# Altium PCB PCB1 - BU.PcbDoc (part 2 of 2)
Units mil, origin at the board's own origin, x right, y up, seen from the top; angles counter-clockwise.
Board outline 4547.44 x 2454.85 mil, 2 copper layers (Top Layer, Bottom Layer); 145 components, 145 nets, 564 pads, 150 vias.
Unrouted connection lines stored in the file: 2.
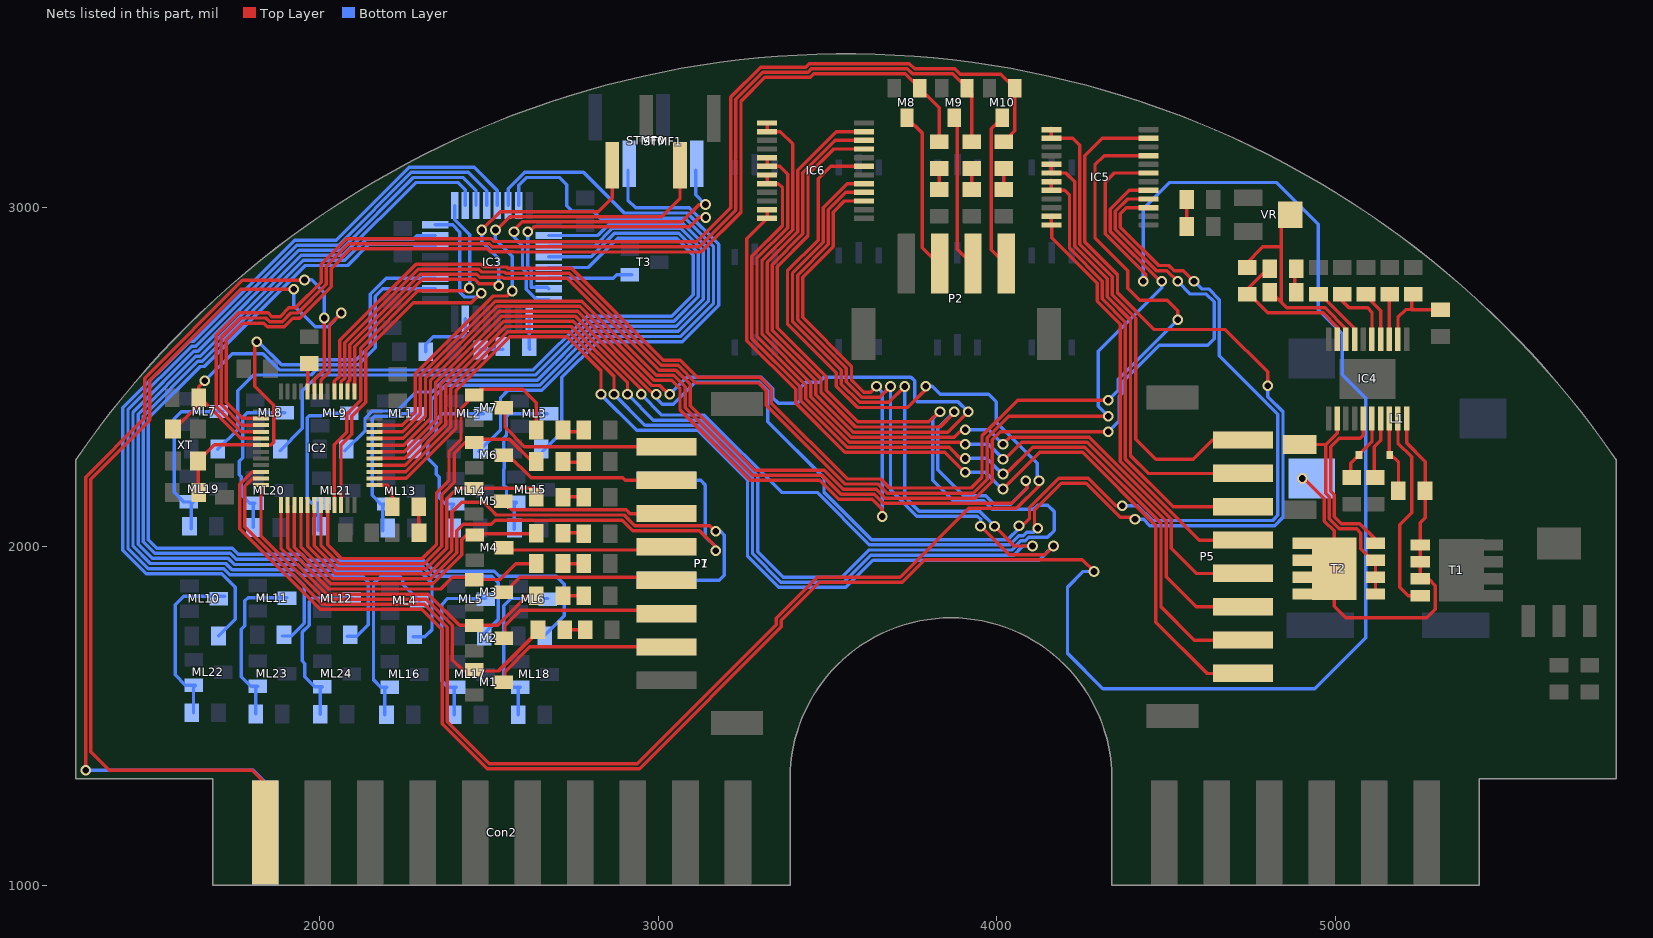
[diagram p2: the nets of this part, all layers, seen from the top]

## Via types
v1: diameter 31.5, hole 19.68, Top Layer to Bottom Layer, tented both sides, 150 vias

## Nets (pads, with @x,y where several pads share a name; then routed paths per layer and width w, separated by ;. In a path a pad name is that pad's centre, name@x,y a point inside that pad or via, vN(x,y) a via of type N, cw(c..) or ccw(c..) an arc to the next point about the centre after c; other vN are vias at no path point) (continued)
M1B: IC2.40 IC5.21 | length 4095.6
  Top Layer w10: IC2.40@2044.21,2457.32 2044.21,2487.85 2060,2503.64 2060,2608.79 2285.47,2834.25 2477.01,2834.25 2485.52,2825.75 2553.19,2825.75 2556.98,2821.96 2744.53,2821.96 3015.74,2550.75 3065.47,2550.75 3116.21,2500 3301.11,2500 3334.85,2466.26 3334.85,2423.79 3558.83,2199.8 3656.79,2199.8 3683.45,2173.14 3924.15,2173.14 3956.48,2205.48 3956.48,2327.43 4061.57,2432.51 v1(4329.21,2432.51) ; IC5.21@4447.72,3154.36 4316.9,3154.36 4290,3127.46 4290,2911.81 4386.58,2815.23 4386.58,2763.27 4422.06,2727.8 4503.31,2727.8 4534.15,2696.95 v1(4534.15,2670)
  Bottom Layer w10: v1(4329.21,2432.51) 4358.54,2461.84 4358.54,2494.39 v1(4534.15,2670)
M2A: IC2.39 IC5.17 | length 3860.2
  Top Layer w10: IC2.39@2063.9,2457.32 2063.9,2486.32 2075,2497.42 2075,2602.57 2291.68,2819.25 2470.8,2819.25 2479.3,2810.75 2546.98,2810.75 2550.76,2806.96 2738.31,2806.96 3009.53,2535.75 3059.25,2535.75 3111.99,2483.01 3296.89,2483.01 3319.85,2460.05 3319.85,2417.57 3552.62,2184.8 3650.57,2184.8 3677.24,2158.14 3930.36,2158.14 3971.48,2199.26 3971.48,2321.21 4035.27,2385 v1(4329.21,2385) ; IC5.17@4447.72,3052 4391.11,3052 4335,2995.89 4335,2930.45 4482.26,2783.19 v1(4487.11,2783.19)
  Bottom Layer w10: v1(4329.21,2385) 4300,2414.21 4300,2577.44 4487.11,2764.54 v1(4487.11,2783.19)
M2B: IC2.38 IC5.16 | length 4074.1
  Top Layer w10: IC2.38@2083.58,2457.32 2083.58,2484.79 2090,2491.21 2090,2596.36 2297.89,2804.25 2464.59,2804.25 2473.09,2795.75 2540.76,2795.75 2544.55,2791.96 2732.1,2791.96 3003.31,2520.75 3053.04,2520.75 3095,2478.79 3095,2415.86 3285,2225.86 3490.35,2225.86 3546.41,2169.8 3644.36,2169.8 3671.02,2143.14 3936.57,2143.14 3986.48,2193.05 3986.48,2315 4010.7,2339.21 v1(4329.21,2339.21) ; IC5.16@4447.72,3026.41 4386.73,3026.41 4350,2989.68 4350,2936.66 4471.66,2815 4502.34,2815 v1(4534.15,2783.19)
  Bottom Layer w10: v1(4329.21,2339.21) 4361.53,2371.53 4361.53,2443.61 4373.54,2455.63 4373.54,2488.18 4480.37,2595 4623.37,2595 4642.19,2613.82 4642.19,2722.81 4619.2,2745.8 4571.54,2745.8 v1(4534.15,2783.19)
M3A: IC2.33 IC6.22 | length 4441.4
  Top Layer w10: IC2.33@2162.32,2339.21 2162.86,2339.75 2246.48,2339.75 2298.39,2391.65 2298.39,2504.08 2519.31,2725 2775.05,2725 2994.3,2505.75 3046.83,2505.75 3080,2472.57 3080,2409.65 3278.79,2210.86 3484.14,2210.86 3540.19,2154.8 3638.15,2154.8 3664.81,2128.14 4044.59,2128.14 4088.79,2172.34 4088.79,2194.76 v1(4085.41,2194.76) ; IC6.22@3607.72,3199.57 3522.87,3199.57 3427.66,3104.36 3427.66,2923.35 3337.15,2832.83 3337.15,2639.41 3481.13,2495.43 3481.13,2455.16 3582.99,2353.3 3832.55,2353.3 v1@3875,2395.74
  Bottom Layer w10: v1(3875,2398.27) 3826.25,2349.52 3826.25,2226.99 3903.25,2150 3967.72,2150 3992.72,2125 4041.45,2125 4088.79,2172.34 4088.79,2194.76 v1(4085.41,2194.76)
M3B: IC2.28 IC6.21 | length 4748.6
  Top Layer w10: IC2.28@2162.32,2240.79 2253.59,2240.79 2373.39,2360.59 2373.39,2473.01 2550.37,2650 2743.99,2650 2910,2483.99 v1@2910,2453.03 ; IC6.21@3607.72,3173.98 3518.5,3173.98 3442.66,3098.14 3442.66,2917.13 3352.15,2826.62 3352.15,2645.62 3496.13,2501.65 3496.13,2461.37 3589.21,2368.3 3799.27,2368.3 v1@3832.6,2401.62
  Bottom Layer w10: v1(2910,2450) 2986.47,2373.53 3130.25,2373.53 3294.04,2209.75 3294.04,1985.05 3369.09,1910 3542.21,1910 3622.21,1990 4043.79,1990 4070.71,2016.92 4084.07,2016.92 4094.81,2027.67 4149.93,2027.67 4169.84,2047.58 4169.84,2103.74 4151.03,2122.55 4120.45,2122.55 4107.89,2110 3986.51,2110 3961.51,2135 3872.23,2135 3811.25,2195.98 3811.25,2376.92 v1(3832.6,2398.27)
M4A: IC2.27 IC6.17 | length 4457.4
  Top Layer w10: IC2.27@2162.32,2221.1 2255.12,2221.1 2388.39,2354.37 2388.39,2466.8 2556.59,2635 2737.77,2635 2870,2502.77 v1(2870,2450) ; IC6.17@3607.72,3071.61 3559.06,3071.61 3487.66,3000.22 3487.66,2898.49 3397.15,2807.98 3397.15,2664.26 3541.13,2520.28 3541.13,2480.01 3595.2,2425.95 3681.15,2425.95 v1(3728.02,2472.81) ; v1(3993.59,2060.49) 4052.16,2001.92 v1(4105.48,2001.92)
  Bottom Layer w10: v1(2870,2450) 2961.47,2358.53 3124.04,2358.53 3279.04,2203.54 3279.04,1978.84 3362.88,1895 3548.42,1895 3628.42,1975 4050,1975 4076.92,2001.92 v1(4105.48,2001.92) ; v1(3728.02,2472.81) 3728.02,2147.48 3770.49,2105 3949.08,2105 v1(3993.59,2060.49) v1@3993.59,2055.63
M4B: IC2.26 IC6.16 | length 4554.5
  Top Layer w10: IC2.26@2162.32,2201.42 2256.64,2201.42 2403.39,2348.16 2403.39,2460.59 2562.8,2620 2731.56,2620 2831.61,2519.95 v1(2831.61,2450.15) ; IC6.16@3607.72,3046.02 3554.68,3046.02 3502.66,2994.01 3502.66,2892.28 3412.15,2801.77 3412.15,2670.48 3556.13,2526.5 3556.13,2486.23 3601.41,2440.95 3654.46,2440.95 v1(3686.33,2472.81) ; v1(3952.31,2060.49) 4036.63,1976.17 4141.63,1976.17 v1(4167.38,2001.92)
  Bottom Layer w10: v1(2831.61,2450.15) 2831.61,2448.53 2936.61,2343.53 3117.83,2343.53 3264.04,2197.32 3264.04,1972.63 3356.66,1880 3554.63,1880 3634.63,1960 4125.46,1960 v1(4167.38,2001.92) ; v1(3686.33,2472.81) 3686.33,2167.95 3764.28,2090 3942.87,2090 3952.31,2080.55 v1@3952.31,2062.15
MAG: IC3.22 T3.1 | length 248.9
  Bottom Layer w10: IC3.22@2677.32,2792.76 2868.4,2792.76 2878.24,2802.6 T3.1@2916.69,2802.6 T3.1@2922.16,2802.6
MG1: M1.3 P1.2 | length 518.8
  Top Layer w10: M1.3@2548.31,1595.47 2548.31,1630.9 2621.34,1703.94 P1.2@3001.42,1703.94
MG2: M2.3 P1.3 | length 513.1
  Top Layer w10: M2.3@2548.31,1730.47 2548.31,1767.6 2593.27,1812.56 2991.22,1812.56 P1.3@3001.42,1802.36
MG3: M3.3 P1.4 | length 474.7
  Top Layer w10: M3.3@2548.31,1865.47 2592.05,1909.21 2992.99,1909.21 P1.4@3001.42,1900.79
MG4: M4.3 P1.5 | length 461.3
  Top Layer w10: M4.3@2548.31,2000.47 2558.78,1990 2992.2,1990 P1.5@3001.42,1999.21
MG5: M5.3 P1.6 | length 473
  Top Layer w10: M5.3@2543.35,2133.73 2568.7,2108.38 2906.57,2108.38 2917.32,2097.64 P1.6@3001.42,2097.64
MG6: M6.3 P1.7 | length 483.9
  Top Layer w10: M6.3@2548.31,2270.47 2558.29,2270.47 2625.63,2203.14 2895.8,2203.14 2902.88,2196.06 P1.7@3001.42,2196.06
MG7: M7.3 P1.8 | length 535.9
  Top Layer w10: M7.3@2548.31,2410.94 2548.31,2351.88 2605.69,2294.49 P1.8@3001.42,2294.49
MG8: M8.3 P2.2 | length 467.9
  Top Layer w10: M8.3@3735,3266.69 3780.49,3221.2 3780.49,2882.77 P2.2@3826.57,2836.68
MG9: M9.3 P2.3 | length 450.7
  Top Layer w10: M9.3@3875,3266.69 3883.1,3258.6 3883.1,2878.59 P2.3@3925,2836.68
MG10: M10.3 P2.4 | length 460.1
  Top Layer w10: M10.3@4015.95,3266.69 3983.39,3234.13 3983.39,2876.71 P2.4@4023.43,2836.68
MOS_0: IC2.12 M1.1 R12.1 | length 1245.7
  Top Layer w10: IC2.12@1827.68,2181.73 1827.68,2032.81 2015.49,1845 2315.52,1845 2392.87,1767.65 2392.87,1666.37 2426.37,1632.87 2529.06,1632.87 2645.63,1749.44 R12.1@2645.63,1755
MOS_1: IC2.13 M2.1 R13.1 | length 1016.8
  Top Layer w10: IC2.13@1886.73,2122.68 1886.73,1994.97 2021.7,1860 2321.74,1860 2413.86,1767.87 2527.29,1767.87 2614.42,1855 R13.1@2645.63,1855
MOS_2: IC2.14 M3.1 R14.1 | length 952.6
  Top Layer w10: IC2.14@1906.42,2122.68 1906.42,1996.49 2027.91,1875 2358.28,1875 2392.35,1909.07 2450.81,1909.07 M3.1@2457.01,1902.87 ; M3.1@2457.48,1902.4 M3.1@2457.01,1902.87 ; R14.1@2645.63,1950 R14.1@2640.63,1950 2580,1950 2532.87,1902.87 M3.1@2457.01,1902.87
MOS_3: IC2.15 M4.1 R15.1 | length 979.1
  Top Layer w10: IC2.15@1926.1,2122.68 1926.1,1998.02 2034.12,1890 2335,1890 2421.1,1976.1 2421.1,2020.64 2435.99,2035.53 2459.35,2035.53 2461.69,2037.87 2638.78,2037.87 2640.63,2036.02 R15.1@2645.63,2041.02
MOS_4: IC2.18 M5.1 R16.1 | length 996.4
  Top Layer w10: IC2.18@1985.16,2122.68 1985.16,2002.61 2052.76,1935 2316.36,1935 2376.1,1994.73 2376.1,2141.73 2407.24,2172.87 2637.76,2172.87 R16.1@2645.63,2165
MOS_5: IC2.19 M6.1 R17.1 | length 1098.3
  Top Layer w10: IC2.19@2004.84,2122.68 2004.84,2004.14 2058.98,1950 2310.15,1950 2361.1,2000.95 2361.1,2153.36 2398.01,2190.27 2398.01,2275.55 2429.87,2307.4 M6.1@2457.48,2307.4 2467.54,2317.46 2561.5,2317.46 2627.47,2251.49 R17.1@2640.63,2251.49 R17.1@2640.63,2248.7
MOS_6: IC2.20 M7.1 R18.1 | length 1252.2
  Top Layer w10: IC2.20@2024.53,2122.68 2024.53,2005.66 2065.19,1965 2303.93,1965 2346.1,2007.16 2346.1,2159.57 2383.01,2196.49 2383.01,2281.76 2418.39,2317.13 2418.39,2408.78 M7.1@2457.48,2447.87 2474.61,2465 2600.07,2465 2640.63,2424.44 R18.1@2640.63,2339.02
MOS_7: IC2.2 M8.1 R19.1 | length 3117.8
  Top Layer w10: IC2.2@1827.68,2378.58 1773.17,2378.58 1725.75,2426.01 1725.75,2611.3 1774.45,2660 1836.16,2660 1846.91,2649.25 1896.63,2649.25 1922.17,2674.8 1942.17,2674.8 2035.27,2767.9 2035.27,2821.08 2093.45,2879.25 2495.65,2879.25 2504.16,2870.75 2571.83,2870.75 2572.58,2870 3127.43,2870 3245,2987.57 3245,3315.16 3315.71,3385.88 3449.12,3385.88 3459.11,3395.87 3729.84,3395.87 M8.1@3772.4,3353.31 3830,3295.71 R19.1@3830,3195.11
MOS_8: IC2.3 M9.1 R20.1 | length 3297.7
  Top Layer w10: IC2.3@1827.68,2358.9 1771.65,2358.9 1710.75,2419.8 1710.75,2617.51 1768.24,2675 1842.37,2675 1853.12,2664.25 1890.41,2664.25 1915.96,2689.8 1935.96,2689.8 2020.27,2774.11 2020.27,2827.29 2087.23,2894.25 2501.87,2894.25 2510.37,2885.75 2578.04,2885.75 2578.79,2885 3121.21,2885 3230,2993.79 3230,3321.38 3309.5,3400.88 3442.91,3400.88 3452.9,3410.87 3736.06,3410.87 3751.28,3395.64 3870.07,3395.64 M9.1@3912.4,3353.31 3926.66,3339.05 R20.1@3926.66,3195.11
MOS_9: IC2.4 M10.1 R21.1 | length 3504
  Top Layer w10: IC2.4@1827.68,2339.21 1770.12,2339.21 1695.75,2413.58 1695.75,2623.72 1762.02,2690 1848.59,2690 1859.33,2679.25 1884.2,2679.25 1909.74,2704.8 1929.74,2704.8 2005.27,2780.33 2005.27,2833.51 2081.02,2909.25 2508.08,2909.25 2516.58,2900.75 2584.26,2900.75 2585,2900 3115,2900 3215,3000 3215,3327.59 3303.29,3415.88 3436.7,3415.88 3446.69,3425.87 3742.27,3425.87 3757.49,3410.64 3876.28,3410.64 3891.92,3395 4011.66,3395 M10.1@4053.36,3353.31 4053.36,3227.52 R21.1@4020.95,3195.11
Motor_EN_A: IC2.10 IC5.19 | length 7324.5
  Top Layer w10: IC2.10@1827.68,2221.1 1802.16,2221.1 1765,2183.94 1765,2053.06 2003.06,1815 2303.1,1815 2362.87,1755.22 2362.87,1477.13 2495.75,1344.25 2945.41,1344.25 3364.25,1763.1 3364.25,1783.04 3476.21,1895 3721.67,1895 3787.84,1961.17 4252.87,1961.17 v1(4287.31,1926.73) ; v1@4440.24,2783.19 4440.24,2804 4320,2924.23 4320,3076.42 4346.76,3103.18 IC5.19@4447.72,3103.18
  Bottom Layer w10: v1(4287.31,1926.73) 4255.88,1926.73 4208.95,1879.8 4208.95,1684.68 4313.64,1580 4938.96,1580 5089.42,1730.46 5089.42,2438.76 5020,2508.18 5020,2628.58 4948.8,2699.78 4948.8,2952.42 4826.22,3075 4509.22,3075 4432.14,2997.92 v1(4432.14,2783.19)
Motor_EN_B: IC2.11 IC6.19 | length 5020.2
  Top Layer w10: IC2.11@1827.68,2201.42 1803.69,2201.42 1780,2177.72 1780,2059.27 2009.27,1830 2309.31,1830 2377.87,1761.43 2377.87,1483.34 2501.96,1359.25 2939.19,1359.25 3349.25,1769.31 3349.25,1789.25 3470,1910 3714.5,1910 3917.64,2113.14 4058.38,2113.14 4125,2179.76 v1(4125,2195) ; IC6.19@3607.72,3122.8 3509.74,3122.8 3472.66,3085.72 3472.66,2904.71 3382.15,2814.2 3382.15,2658.05 3526.13,2514.07 3526.13,2473.8 3588.98,2410.95 3737,2410.95 3790,2463.95 v1(3790,2473.1)
  Bottom Layer w10: v1(3790,2473.1) 3809.72,2473.1 3832.82,2450 3975.78,2450 3998.58,2427.2 3998.58,2367.43 4119.96,2246.05 v1@4119.96,2205.98
MPWM1: IC2.29 IC5.23 | length 5027.4
  Top Layer w10: IC2.29@2162.32,2260.47 2252.06,2260.47 2358.39,2366.8 2358.39,2479.23 2544.16,2665 2750.2,2665 2950,2465.2 v1@2950,2450.15 ; v1(4120.78,2054.42) 4111.66,2054.42 4111.66,2108.79 4190,2187.14 4263.73,2187.14 4364.23,2086.63 4402.31,2086.63 v1(4408.19,2080.75) ; IC5.23@4447.72,3205.54 4311.39,3205.54 4260,3154.15 4260,2899.38 4356.58,2802.8 4356.58,2750 4465.62,2640.96 4675.27,2640.96 4800.33,2515.9 v1(4800.33,2475)
  Bottom Layer w10: v1(2950,2450) 3011.47,2388.53 3136.47,2388.53 3365,2160 3469.54,2160 3624.07,2005.47 4038.05,2005.47 4064.49,2031.92 4077.85,2031.92 4088.6,2042.67 4109.03,2042.67 v1(4120.78,2054.42) ; v1(4408.19,2080.75) 4433.75,2080.75 4452.36,2062.15 4821.08,2062.15 4845.2,2086.26 4845.2,2398.07 4800.33,2442.93 v1(4800.33,2475)
MPWM2: IC2.30 IC5.15 | length 4687.5
  Top Layer w10: IC2.30@2162.32,2280.16 2250.53,2280.16 2343.39,2373.01 2343.39,2485.44 2537.95,2680 2756.41,2680 2986.41,2450 v1(2995,2450) ; v1(4065.87,2061.71) 4075.54,2061.71 4096.66,2082.82 4096.66,2115.01 4183.79,2202.14 4269.94,2202.14 4351.41,2120.67 v1(4370.95,2120.67) ; IC5.15@4447.72,3000.82 4382.35,3000.82 4365,2983.46 4365,2942.87 4477.87,2830 4508.56,2830 4523.56,2815 4550.5,2815 v1(4582.32,2783.19)
  Bottom Layer w10: v1(2995,2450) 2995,2438.03 3013.03,2420 3045,2420 3110.37,2485.37 3298.42,2485.37 3324.04,2459.75 3324.04,2368.79 3490,2202.82 3490,2160.76 3630.28,2020.47 4031.83,2020.47 4065.87,2054.51 v1(4065.87,2061.71) ; v1(4370.95,2120.67) 4415.04,2120.67 4458.57,2077.15 4814.87,2077.15 4830.2,2092.47 4830.2,2390.46 4657.19,2563.47 4657.19,2729.02 4625.41,2760.8 4604.71,2760.8 v1(4582.32,2783.19)
MPWM3: IC2.31 IC6.23 | length 3801
  Top Layer w10: IC2.31@2162.32,2299.84 2249,2299.84 2328.39,2379.23 2328.39,2491.65 2531.74,2695 2762.63,2695 2981.88,2475.75 3005.67,2475.75 3031.27,2450.15 v1@3035,2450.15 ; IC6.23@3607.72,3225.16 3526.64,3225.16 3412.66,3111.18 3412.66,2929.56 3322.15,2839.05 3322.15,2633.2 3466.13,2489.22 3466.13,2448.95 3576.78,2338.3 3855.61,2338.3 v1(3915.58,2398.27)
  Bottom Layer w10: v1(3035,2450) 3085.37,2500.37 3304.63,2500.37 3339.04,2465.96 3339.04,2440 3355.75,2423.29 3411.16,2423.29 3420,2432.13 3420,2469.15 3436.21,2485.37 3475.42,2485.37 3490.06,2500 3746.9,2500 3757.79,2489.11 3757.79,2435.44 3765,2428.23 3885.62,2428.23 v1(3915.58,2398.27)
MPWM4: IC2.32 IC6.15 | length 3216.9
  Top Layer w10: IC2.32@2162.32,2319.53 2247.48,2319.53 2313.39,2385.44 2313.39,2497.86 2525.52,2710 2768.84,2710 2988.09,2490.75 3040.61,2490.75 3065,2466.36 3065,2403.43 3272.57,2195.86 3477.92,2195.86 3533.98,2139.8 3631.93,2139.8 3661.74,2110 v1(3661.74,2088.85) ; IC6.15@3607.72,3020.43 3550.3,3020.43 3517.66,2987.8 3517.66,2886.07 3427.15,2795.56 3427.15,2676.69 3571.13,2532.71 3571.13,2492.44 3607.62,2455.95 3627.85,2455.95 v1(3645,2473.1)
  Bottom Layer w10: v1(3645,2473.1) 3661.74,2456.36 v1(3661.74,2088.85)
N2P1: LR1.1 ML1.3 ML13.1 | length 495.4
  Bottom Layer w10: LR1.1@2186.82,2046.05 2186.82,2119.86 ML13.1@2192.73,2125.77 ; ML13.1@2197.73,2125.77 ML13.1@2192.73,2125.77 ; ML1.3@2284.34,2392.8 2242.92,2392.8 2235.64,2385.51 2162.95,2385.51 2156.41,2378.98 2156.41,2151.22 2181.86,2125.77 ML13.1@2192.73,2125.77
N2P2: LR2.1 ML2.3 ML14.1 | length 535.2
  Bottom Layer w10: LR2.1@2391.83,2046.05 2391.83,2119.86 2397.74,2125.77 2372.63,2125.77 2353.61,2144.78 2353.61,2205.36 2345.64,2213.34 2345.64,2235.44 2339.65,2241.43 2339.56,2241.43 2320,2260.99 2320,2309.09 2345.64,2334.73 2345.64,2375.19 2363.24,2392.8 ML2.3@2484.35,2392.8
N2P3: LR3.1 ML3.3 ML15.1 | length 497
  Bottom Layer w10: LR3.1@2575.63,2051.05 2575.63,2123.48 2581.54,2129.39 ML15.1@2581.54,2130.77 2552.63,2130.77 2552.63,2173.09 2543.98,2181.74 2543.98,2229.4 2545.75,2231.17 2545.75,2255.63 2544.57,2256.82 2544.57,2320.22 2552.63,2328.28 2552.63,2384.7 2560.73,2392.8 ML3.3@2673.15,2392.8
N2P4: LR4.1 ML4.3 ML16.1 | length 601
  Bottom Layer w10: 2176.77,1906.91 2160,1890.14 2160,1606.51 2181.26,1585.25 2199.32,1585.25 2193.42,1579.34 LR4.1@2193.42,1503.5 ; 2176.77,1906.96 2185,1915.18 2233.92,1915.18 2246.03,1903.07 2246.03,1888.88 ML4.3@2295.09,1839.83
N2P5: LR5.1 ML5.3 ML17.1 | length 497.7
  Bottom Layer w10: LR5.1@2398.43,1503.51 2398.43,1579.34 ML17.1@2404.34,1585.25 2379.27,1585.25 2361.02,1603.5 2361.02,1828.5 2379.55,1847.04 ML5.3@2490.95,1847.04
N2P6: LR6.1 ML6.3 ML18.1 | length 497.5
  Bottom Layer w10: LR6.1@2587.23,1503.5 2587.23,1579.34 ML18.1@2593.13,1585.25 2569.27,1585.25 2544.57,1609.95 2544.57,1825.26 2566.34,1847.04 ML6.3@2674.75,1847.04
N2P7: LR7.1 ML7.3 ML19.1 | length 519.5
  Bottom Layer w10: LR7.1@1621.94,2052.08 1621.94,2125.88 1627.85,2131.79 1600,2131.79 1571.4,2160.39 1571.4,2377.51 1592.71,2398.82 ML7.3@1703.31,2398.82 ML7.3@1714.46,2398.82
N2P8: LR8.1 ML8.3 ML20.1 | length 488.7
  Bottom Layer w10: LR8.1@1805.3,2056.37 1805.3,2124.44 ML20.1@1809.19,2128.32 1794.19,2128.32 1769.07,2153.44 1769.07,2206.25 1763.53,2211.79 1763.53,2252.12 1773.65,2262.23 1773.65,2381.78 1779.5,2387.64 1779.84,2387.64 1787.56,2395.35 ML8.3@1897.82,2395.35
N2P9: LR9.1 ML9.3 ML21.1 | length 499.2
  Bottom Layer w10: LR9.1@1996.33,2047.55 1996.33,2121.36 ML21.1@2002.24,2127.26 ; ML21.1@2006.69,2127.6 1978.13,2127.6 1964.68,2141.05 1964.68,2380.72 1970.54,2386.57 2012.99,2386.57 2020.7,2394.29 ML9.3@2088.85,2394.29
N2P10: LR10.1 ML10.3 ML22.1 | length 519.8
  Bottom Layer w10: LR10.1@1628.54,1509.53 1628.54,1585.37 1634.45,1591.27 ML22.1@1629.45,1591.27 1604.85,1591.27 1575,1621.12 1575,1828.79 1599.27,1853.06 ML10.3@1721.06,1853.06
N2P11: LR11.1 ML11.3 ML23.1 | length 500.1
  Bottom Layer w10: LR11.1@1811.9,1506.06 1811.9,1581.9 ML23.1@1817.8,1587.81 1798.21,1587.81 1770,1616.02 1770,1756.7 1780.24,1766.94 1780.24,1840.12 1789.72,1849.59 ML11.3@1904.42,1849.59
N2P12: LR12.1 ML12.3 ML24.1 | length 511.2
  Bottom Layer w10: LR12.1@2002.93,1505 2002.93,1580.84 ML24.1@2008.83,1586.74 1985.94,1586.74 1957.47,1615.21 1957.47,1654.75 1949.68,1662.54 1949.68,1747.93 1970,1768.26 1970,1837.32 1981.21,1848.53 ML12.3@2095.45,1848.53
NetB1_1: B1.1 R12.2 | length 61.3
  Top Layer w10: R12.2@2724.37,1755 B1.1@2785.63,1755
NetB2_1: B2.1 R13.2 | length 61.3
  Top Layer w10: R13.2@2719.37,1855.47 B2.1@2780.63,1855.47
NetB3_1: B3.1 R14.2 | length 61.3
  Top Layer w10: R14.2@2719.37,1950 B3.1@2780.63,1950
NetB4_1: B4.1 R15.2 | length 61.6
  Top Layer w10: R15.2@2719.37,2041.02 2779.84,2041.02 B4.1@2780.63,2041.81
NetB5_1: B5.1 R16.2 | length 61.3
  Top Layer w10: R16.2@2719.37,2147.38 B5.1@2780.63,2147.38
NetB6_1: B6.1 R17.2 | length 61.3
  Top Layer w10: R17.2@2719.37,2248.7 B6.1@2780.63,2248.7
NetB7_1: B7.1 R18.2 | length 61.3
  Top Layer w10: R18.2@2719.37,2339.02 B7.1@2780.63,2339.02
NetB8_1: B8.1 R19.2 | length 62
  Top Layer w10: B8.1@3830,3054.35 R19.2@3830,3116.37
NetB9_1: B9.1 R20.2 | length 62
  Top Layer w10: B9.1@3926.66,3054.35 R20.2@3926.66,3116.37
NetB10_1: B10.1 R21.2 | length 62
  Top Layer w10: B10.1@4020.95,3054.35 R21.2@4020.95,3116.37
NetC12_2: C12.2 IC4.5 | length 214.3
  Top Layer w10: C12.2@5015,2755.63 5015,2730.05 5040.05,2705 5095,2705 5107.8,2692.2 IC4.5@5107.8,2611.93
NetC13_2: C13.2 IC4.7 | length 189.9
  Top Layer w10: C13.2@4945,2755.63 4945,2755.4 5049.29,2651.11 5049.29,2650.44 5056.61,2643.12 IC4.7@5056.61,2611.93
NetC14_1: C14.1 R9.2 | length 70
  Top Layer w10: R9.2@4879.37,2760.63 C14.1@4879.37,2830.63
NetC14_2: C14.2 C15.2 IC4.9 | length 466.6
  Top Layer w10: C14.2@4800.63,2830.63 4810,2830.63 4735,2755.63 4800.63,2690 4963.6,2690 5005.43,2648.16 IC4.9@5005.43,2611.93
NetC15_1: C15.1 IC4.8 R9.1 VR.2 | length 706.4
  Top Layer w10: C15.1@4735,2834.37 4785.63,2885 4840,2885 ; R9.1@4800.63,2760.63 4840,2721.26 ; VR.2@4866.65,2980 4840,2953.35 4840,2885 ; IC4.8@5031.02,2611.93 5031.02,2643.79 4969.81,2705 4856.26,2705 4840,2721.26 ; 4840,2721.26 4840,2885
NetC16_1: C16.1 IC4.20 L1.1 T1.3 T2.1 | length 1368
  Top Layer w10: v1(4901.73,2201.42) 4906.97,2201.42 4966.98,2141.4 4966.98,2075.61 4996.22,2046.37 T2.1@4996.22,1935 4996.22,1823.78 5030,1790 5269.53,1790 5295,1815.47 5295,1885 5275,1905 T1.3@5250,1905 T1.3@5250,1955 T1.3@5250,2005 5250,2070 5265,2085 5265,2251.22 5210.16,2306.05 IC4.20@5210.16,2378.07
NetC16_2: C16.2 D1.2 IC4.18 | length 224.6
  Top Layer w10: IC4.18@5158.98,2378.07 5158.98,2276.02 5186.26,2248.74 5186.26,2165.63 C16.2@5185.63,2165
NetC17_2: C17.2 D1.1 IC4.16 | length 200.9
  Top Layer w10: C17.2@5047.8,2204.37 5045,2207.17 5045,2246.02 D1.1@5069.45,2270.47 5069.45,2270.78 5107.8,2309.13 IC4.16@5107.8,2378.07
NetC18_2: C18.2 IC4.17 | length 182.5
  Top Layer w10: C18.2@5117.8,2204.37 5115,2207.17 5115,2295.12 5133.39,2313.51 IC4.17@5133.39,2378.07
NetDebug2_2: IC3.23 STMF0.2 | length 1104.5
  Top Layer w10: v1(2615,2930) 2619.88,2930 2629.88,2940 2633.88,2944 3094,2944 3122,2972 v1(3141.09,2972)
  Bottom Layer w10: v1(2615,2930) 2615,2827.72 2614.88,2827.6 2625.75,2816.73 2625.75,2766.18 2672.4,2766.18 IC3.23@2677.32,2761.26 ; STMF0.2@2911.21,3111.1 2911.21,3023.21 2934.42,3000 3092.28,3000 3120.28,2972 v1(3141.09,2972)
NetDebug2_4: IC3.24 STMF0.4 | length 966.1
  Top Layer w10: v1(2575,2930) 2575,2935 2599,2959 3070.68,2959 3121.79,3010.11 3121.9,3010 v1(3140,3010)
  Bottom Layer w10: v1@2575,2917.95 2575,2913.28 2599.74,2888.54 2599.74,2821.53 2610.75,2810.52 2610.75,2759.97 2640.95,2729.76 IC3.24@2677.32,2729.76 ; STMF0.4@3111.21,3111.1 3111.21,3038.79 v1(3140,3010)
NetDebug_2: IC2.34 STMF1.2 | length 1528
  Top Layer w10: IC2.34@2162.32,2358.9 2244.42,2358.9 2283.39,2397.87 2283.39,2510.29 2513.1,2740 2555,2740 v1(2570,2755) ; v1@2515,2927.02 2561.98,2974 3010.58,2974 3065,3028.42 STMF1.2@3065,3126.1
  Bottom Layer w10: v1(2520,2935) 2520,2907.03 2569.74,2857.29 2569.74,2755.26 v1(2570,2755)
NetDebug_4: IC2.37 STMF1.4 | length 1345.3
  Top Layer w10: IC2.37@2103.27,2457.32 2103.27,2483.26 2105,2485 2105,2590.15 2304.1,2789.25 2458.37,2789.25 2470.75,2776.88 2470.75,2776.15 2523.94,2776.15 v1(2530.1,2770) ; v1(2480,2935) 2534,2989 2823.37,2989 2865,3030.63 STMF1.4@2865,3126.1
  Bottom Layer w10: v1(2480,2935) 2480,2900 2530,2850 v1@2530,2780
NetGY1_1: GY1.1 R3.1 | length 68
  Bottom Layer w10: GY1.1@2475.42,2580 2478.54,2583.12 R3.1@2542.17,2583.12
NetGY_1: GY.1 R2.2 | length 77.1
  Top Layer w10: R2.2@2293.58,2117.8 2293.58,2041.81 GY.1@2294.37,2041.02
NetIC2_25: IC2.25 R2.1 | length 108.4
  Top Layer w10: IC2.25@2162.32,2181.73 2201.14,2181.73 2214.84,2168.03 R2.1@2214.84,2117.8
NetIC2_44: IC2.44 R1.1 | length 84.8
  Top Layer w10: IC2.44@1965.47,2457.32 1965.47,2534.84 R1.1@1970.63,2540
NetIC3_6: IC3.6 R27.2 | length 2885.5
  Bottom Layer w10: IC3.6@2342.68,2887.24 2283.09,2887.24 2278.05,2892.28 2145.73,2892.28 2083.45,2830 1958.59,2830 1660.46,2531.87 1647.94,2531.87 1495,2378.93 1495,2020 1519.72,1995.28 1742.87,1995.28 1760.8,1977.35 1947.72,1977.35 1964.88,1960.18 2306.68,1960.18 2339.42,1927.44 2515.86,1927.44 2531.21,1912.09 2700.18,1912.09 2723.67,1888.6 2723.67,1796.21 R27.2@2660.97,1733.5
NetIC3_7: IC3.7 R26.2 | length 2734.7
  Bottom Layer w10: IC3.7@2342.68,2918.74 2289.07,2918.74 2278.05,2907.72 2214.65,2907.72 2138.23,2907.72 2075.51,2845 1952.37,2845 1654.25,2546.87 1641.73,2546.87 1480,2385.15 1480,2013.79 1513.5,1980.28 1736.66,1980.28 1754.59,1962.35 1941.5,1962.35 1958.67,1945.18 2300.47,1945.18 2333.21,1912.44 2509.64,1912.44 2528.51,1893.57 2528.51,1784.84 R26.2@2477.17,1733.5
NetIC3_10: IC3.10 R25.2 | length 2805.2
  Bottom Layer w10: R25.2@2277.16,1733.5 2311.35,1733.5 2332.65,1754.8 2332.65,1891.79 2294.25,1930.18 1952.45,1930.18 1935.29,1947.35 1748.38,1947.35 1730.44,1965.28 1507.29,1965.28 1465,2007.57 1465,2391.36 1635.51,2561.87 1648.03,2561.87 1946.16,2860 2069.3,2860 2284.3,3075 2409.79,3075 2431.26,3053.53 IC3.10@2431.26,3007.32
NetIC3_11: IC3.11 R33.2 | length 2697.8
  Bottom Layer w10: R33.2@2081.67,1735 2110.91,1735 2144.79,1768.88 2144.79,1895.42 2125.03,1915.18 1946.24,1915.18 1929.08,1932.35 1742.17,1932.35 1724.23,1950.28 1501.08,1950.28 1450,2001.36 1450,2397.57 1629.3,2576.87 1641.82,2576.87 1939.95,2875 2063.09,2875 2278.09,3090 2423.47,3090 2462.76,3050.71 IC3.11@2462.76,3007.32
NetIC3_12: IC3.12 R32.2 | length 2580.8
  Bottom Layer w10: R32.2@1890.64,1736.06 1916.59,1736.06 1955,1774.47 1955,1885.21 1922.86,1917.35 1735.95,1917.35 1718.02,1935.28 1494.86,1935.28 1435,1995.15 1435,2403.79 1623.09,2591.87 1635.61,2591.87 1933.73,2890 2056.87,2890 2271.87,3105 2439.96,3105 2494.25,3050.71 IC3.12@2494.25,3007.32
NetIC3_13: IC3.13 R31.2 | length 2434.7
  Bottom Layer w10: R31.2@1702.28,1736.06 1751.44,1785.22 1751.44,1880.65 1711.8,1920.28 1488.65,1920.28 1420,1988.93 1420,2410 1616.87,2606.87 1629.39,2606.87 1927.52,2905 2050.66,2905 2265.66,3120 2457.27,3120 2525.75,3051.52 IC3.13@2525.75,3007.32
NetIC3_14: IC3.14 R24.1 | length 1752
  Bottom Layer w10: IC3.14@2557.24,3007.32 2557.24,3056.29 2605.96,3105 2780,3105 2900,2985 3086.07,2985 3178.9,2892.16 3178.9,2712.29 3071.98,2605.37 2821.53,2605.37 2715.87,2499.71 2715.87,2337.55 R24.1@2659.37,2281.05
NetIC3_15: IC3.15 R23.1 | length 1861.9
  Bottom Layer w10: R23.1@2470.57,2281.05 2535,2345.48 2535,2439.41 2557.06,2461.47 2656.42,2461.47 2815.31,2620.37 3065.76,2620.37 3163.9,2718.5 3163.9,2885.95 3079.85,2970 2828.98,2970 2808.98,2990 2746.55,2990 2730,3006.55 2730,3068.4 2708.4,3090 2612.17,3090 2588.74,3066.57 IC3.15@2588.74,3007.32
NetIC3_18: IC3.18 R22.2 | length 1789.2
  Bottom Layer w10: R22.2@2270.56,2281.05 2330,2340.49 2330,2433.17 2373.51,2476.68 2650.41,2476.68 2809.1,2635.37 3059.55,2635.37 3148.9,2724.72 3148.9,2879.74 3073.64,2955 2859.08,2955 2822.82,2918.74 IC3.18@2677.32,2918.74
NetIC3_19: IC3.19 R30.2 | length 1914.4
  Bottom Layer w10: R30.2@2075.07,2282.55 2135,2342.48 2135,2378.78 2156.73,2400.51 2229.43,2400.51 2285.34,2456.43 2332.05,2456.43 2367.3,2491.68 2644.2,2491.68 2802.89,2650.37 3053.34,2650.37 3133.9,2730.93 3133.9,2873.52 3067.43,2940 2865.29,2940 2812.53,2887.24 IC3.19@2677.32,2887.24
NetIC3_20: IC3.20 R29.2 | length 2111.7
  Bottom Layer w10: R29.2@1884.04,2283.61 1949.68,2349.25 1949.68,2459.68 1996.68,2506.68 2637.99,2506.68 2796.67,2665.37 3047.12,2665.37 3118.9,2737.14 3118.9,2867.31 3061.21,2925 2871.5,2925 2802.25,2855.75 IC3.20@2677.32,2855.75
NetIC3_21: IC3.21 R28.2 | length 2259.8
  Bottom Layer w10: R28.2@1700.68,2287.08 1758.65,2345.04 1758.65,2460.29 1804.99,2506.64 1975.42,2506.64 1990.47,2521.68 2631.77,2521.68 2790.46,2680.37 3040.91,2680.37 3103.9,2743.36 3103.9,2861.1 3055,2910 2880.43,2910 2794.68,2824.25 IC3.21@2677.32,2824.25
NetIC3_25: IC3.25 R3.2 | length 89.8
  Bottom Layer w10: IC3.25@2620.24,2672.68 2620.24,2583.79 R3.2@2620.91,2583.12
NetIC3_31: IC3.31 R4.1 | length 196.2
  Bottom Layer w10: R4.1@2314.37,2575 2314.37,2598.12 2336.25,2620 2421.72,2620 2431.26,2629.54 IC3.31@2431.26,2672.68
NetIC4_2: IC4.2 R5.1 R6.2 | length 341.5
  Top Layer w10: IC4.2@5184.57,2611.93 5184.57,2677.57 5207,2700 5225,2700 ; R6.2@5225,2755.63 5225,2700 ; 5225,2700 5309.37,2700 R5.1@5310,2699.37 5225.63,2699.37 5225,2700
NetIC4_3: IC4.3 R7.2 | length 145.3
  Top Layer w10: R7.2@5155,2755.63 5158.98,2751.65 IC4.3@5158.98,2611.93
NetIC4_4: IC4.4 R8.1 | length 163.7
  Top Layer w10: R8.1@5085,2755.63 5085,2745 5133.39,2696.61 IC4.4@5133.39,2611.93
NetIC4_12: IC4.12 R10.2 T2.3 | length 704.9
  Top Layer w10: R10.2@4895,2301.46 4971.61,2301.46 ; IC4.12@5005.43,2378.07 5005.43,2335.28 4971.61,2301.46 ; T2.3@5118.27,1860 T2.3@5118.27,1910 T2.3@5118.27,1960 5108.85,1960 5075,1993.85 5075,2040 5062.42,2052.58 5011.22,2052.58 4981.98,2081.82 4981.98,2147.62 4971.61,2157.98 4971.61,2301.46
NetIC4_15: IC4.15 T2.2 | length 531
  Top Layer w10: IC4.15@5082.21,2378.07 5082.21,2328.42 5073.79,2320 5011.37,2320 4986.61,2295.24 4986.61,2164.2 4996.98,2153.83 4996.98,2088.03 5017.43,2067.58 5072.42,2067.58 5118.27,2021.73 T2.2@5118.27,2010
NetIC4_19: IC4.19 T1.2 | length 599.7
  Top Layer w10: IC4.19@5184.57,2378.07 5184.57,2305.43 5225,2265 5225,2100 5190,2065 5190,1880 5215,1855 T1.2@5250,1855
NetIC5_1: IC5.1 IC5.2 P5.1 | length 1418.6
  Top Layer w10: IC5.2@4161.45,3209.23 IC5.1@4161.45,3234.82 ; IC5.2@4162.28,3205.54 4224.87,3205.54 4245,3185.4 4245,2893.17 4341.58,2796.59 4341.58,2743.79 4410.99,2674.38 4410.99,2317.54 4470.1,2258.43 4580.64,2258.43 4636.7,2314.49 P5.1@4728.58,2314.49
NetIC5_5: IC5.5 IC5.6 P5.2 | length 1336.8
  Top Layer w10: IC5.6@4161.45,3106.87 IC5.5@4161.45,3132.46 ; IC5.6@4162.28,3103.18 4204.37,3103.18 4230,3077.55 4230,2886.96 4326.58,2790.38 4326.58,2737.57 4395,2669.15 4395,2268.27 4447.21,2216.06 P5.2@4728.58,2216.06
NetIC5_7: IC5.7 IC5.8 P5.3 | length 1338.2
  Top Layer w10: IC5.8@4161.45,3055.69 IC5.7@4161.45,3081.28 ; IC5.8@4162.28,3052 4200.17,3052 4215,3037.17 4215,2880.74 4311.58,2784.16 4311.58,2731.36 4380,2662.94 4380,2258.82 4521.18,2117.64 P5.3@4728.58,2117.64
NetIC5_11: IC5.11 IC5.12 P5.4 | length 1266.8
  Top Layer w10: IC5.12@4161.45,2953.33 IC5.11@4161.45,2978.92 ; IC5.12@4162.28,2949.63 4162.28,2912.25 4296.58,2777.95 4296.58,2725.15 4365,2656.73 4365,2252.61 4598.4,2019.21 P5.4@4728.58,2019.21
NetIC6_1: IC6.1 IC6.2 P5.5 | length 2538.5
  Top Layer w10: IC6.1@3322.28,3250.75 IC6.2@3322.28,3225.16 3361.37,3225.16 3397.66,3188.87 3397.66,2935.77 3307.15,2845.26 3307.15,2626.98 3451.13,2483.01 3451.13,2442.73 3570.57,2323.3 3875.15,2323.3 3896.75,2344.89 v1(3907.49,2344.89) ; v1(4018.32,2302.58) 4039.03,2323.3 4272.8,2323.3 4515,2081.1 4515,1994.9 4589.11,1920.79 P5.5@4728.58,1920.79
  Bottom Layer w10: v1(3907.49,2344.89) 3975.98,2344.89 v1(4018.32,2302.58)
NetIC6_5: IC6.5 IC6.6 P5.6 | length 2541.5
  Top Layer w10: IC6.5@3322.28,3148.39 IC6.6@3322.28,3122.8 3359.02,3122.8 3382.66,3099.15 3382.66,2941.99 3292.15,2851.47 3292.15,2620.77 3436.13,2476.79 3436.13,2436.52 3564.35,2308.3 3890.99,2308.3 3896.7,2302.58 v1(3907.49,2302.58) ; v1(4018.32,2258.35) 4024.03,2258.35 4073.97,2308.3 4266.59,2308.3 4500,2074.89 4500,1910.79 4588.43,1822.36 P5.6@4728.58,1822.36
  Bottom Layer w10: v1(3907.49,2302.58) 3975.77,2302.58 v1@4020,2258.35
NetIC6_7: IC6.7 IC6.8 P5.7 | length 2617.4
  Top Layer w10: IC6.7@3322.28,3097.2 IC6.8@3322.28,3071.61 3355,3071.61 3367.66,3058.95 3367.66,2948.2 3277.15,2857.69 3277.15,2614.56 3421.13,2470.58 3421.13,2430.31 3558.14,2293.3 3859.8,2293.3 3901.73,2251.36 v1@3901.73,2260.47 ; v1(4018.32,2214.42) 4027,2214.42 4105.87,2293.3 4260.38,2293.3 4485,2068.67 4485,1822.35 4583.41,1723.94 P5.7@4728.58,1723.94
  Bottom Layer w10: v1(3907.49,2260.47) 3970.91,2260.47 v1@4016.96,2214.42
NetIC6_11: IC6.11 IC6.12 P5.8 | length 2564.7
  Top Layer w10: IC6.11@3322.28,2994.84 IC6.12@3322.28,2969.25 3262.15,2909.12 3262.15,2608.34 3406.13,2464.37 3406.13,2424.09 3551.93,2278.3 3846.67,2278.3 v1@3905,2219.96 ; v1(4018.32,2170) 4126.62,2278.3 4254.16,2278.3 4470,2062.46 4470,1777.05 4621.54,1625.51 P5.8@4728.58,1625.51
  Bottom Layer w10: v1(3907.49,2220) 3966.84,2220 4016.84,2170 v1(4018.32,2170) v1@4020,2170
NetLED_1: LED.1 R11.1 | length 80
  Top Layer w10: LED.1@4560.63,2945 R11.1@4560.63,3025
OSC_IN: C3.1 IC2.5 IC3.2 XT.1 | length 1333
  Top Layer w10: XT.1@1567.6,2363.23 1588.43,2363.23 1644.37,2419.17 C3.1@1644.37,2440 ; v1(1661.69,2489.38) 1644.37,2472.06 C3.1@1644.37,2440 ; IC2.5@1827.68,2319.53 1768.59,2319.53 1648.12,2440 C3.1@1644.37,2440
  Bottom Layer w10: v1(1661.69,2489.38) 1742.31,2570 1833.79,2570 1882.15,2521.64 1969.21,2521.64 1984.25,2536.68 2114.67,2536.68 2165,2587.01 2165,2738.67 2187.59,2761.26 IC3.2@2342.68,2761.26
OSC_OUT: C4.1 IC2.6 IC3.3 XT.3 | length 1413.9
  Top Layer w10: C4.1@1644.37,2160 1642.4,2161.97 XT.3@1642.4,2252.76 1690.39,2300.75 1826.77,2300.75 IC2.6@1827.68,2299.84 1827.83,2300 1857.06,2300 1865,2307.94 1865,2418.06 1808.98,2474.07 1808.98,2599.28 v1(1815,2605.3)
  Bottom Layer w10: v1(1815,2605.3) 1819.7,2605.3 1888.36,2536.64 1963,2536.64 1978.04,2551.68 2108.46,2551.68 2150,2593.22 2150,2744.88 2197.87,2792.76 IC3.3@2342.68,2792.76
RX: Con2.19 IC2.43 | length 2905.2
  Top Layer w10: v1(1310,1340) 1310,2205.16 1484.84,2380 1484.84,2497.67 1773.13,2785.96 1954.58,2785.96 v1(1956.1,2787.48) ; IC2.43@1985.16,2457.32 1985.16,2492.43 2015,2522.28 v1(2015,2675) v1@2015,2685
  Bottom Layer w10: v1(1310,1340) 1805,1340 1840,1305 Con2.19@1840,1155 ; v1(1956.1,2787.48) 1977.25,2787.48 2015,2749.73 v1(2015,2675)
Servo_1: IC2.16 P7.2 | length 1869.4
  Top Layer w10: IC2.16@1945.79,2122.68 1945.79,1999.55 2040.34,1905 2328.79,1905 2406.1,1982.31 2406.1,2047.4 2425.34,2066.65 2507.87,2066.65 2519.6,2078.38 2894.15,2078.38 2925.48,2047.05 3122.48,2047.05 3170,1999.53 v1(3170,1987.56)
  Bottom Layer w10: P7.2@3024.42,2196.06 3125.97,2196.06 3140,2182.03 3140,2029.53 3170,1999.53 v1(3170,1987.56)
Servo_2: IC2.17 P7.5 | length 1898.4
  Top Layer w10: IC2.17@1965.47,2122.68 1965.47,2001.08 2046.55,1920 2322.57,1920 2391.1,1988.52 2391.1,2101.94 2419.9,2130.75 2485.29,2130.75 2505.79,2110.26 2505.79,2109.91 2522.31,2093.38 2900.36,2093.38 2931.69,2062.05 3152.95,2062.05 v1(3170,2045)
  Bottom Layer w10: P7.5@3001.42,1900.79 3180.79,1900.79 3195.75,1915.75 3195.75,2034.25 3185,2045 v1(3170,2045)
SRX: IC2.22 IC3.8 | length 1218.1
  Top Layer w10: IC2.22@2063.9,2122.68 2063.9,2298.9 2096.32,2331.32 2096.32,2384.71 2137.31,2425.69 2137.31,2580.03 2277.27,2719.99 2449.01,2719.99 2476.82,2747.8 v1@2478.1,2747.8 ; v1@2475.9,2745.6 v1@2478.1,2747.8 ; v1(2478.2,2747.8) v1@2478.1,2747.8
  Bottom Layer w10: IC3.8@2342.68,2950.24 2393.55,2950.24 2415,2928.79 2415,2751.42 2429.37,2737.05 v1@2467.35,2737.05
STX: IC2.21 IC3.9 | length 1152.4
  Top Layer w10: IC2.21@2044.21,2122.68 2044.21,2300.43 2081.32,2337.54 2081.32,2390.92 2122.31,2431.9 2122.31,2586.24 2291.07,2755 2433.79,2755 v1(2442.29,2763.5)
  Bottom Layer w10: IC3.9@2399.76,3007.32 2399.76,2965.24 2444.25,2920.75 2444.25,2765.47 v1(2442.29,2763.5)
TX: Con2.20 IC2.42 | length 2895.2
  Top Layer w10: Con2.20@1840,1155 1839.25,1155.75 1839.25,1302.91 1802.16,1340 1380,1340 1325,1395 1325,2198.94 1499.84,2373.79 1499.84,2491.46 1768.38,2760 v1(1925,2760) ; IC2.42@2004.84,2457.32 2004.84,2490.9 2030,2516.06 2030,2653.59 2065,2688.59 v1(2065,2690)
  Bottom Layer w10: v1(1925,2760) 1925,2711.91 1981.91,2655 1987.66,2649.25 2025.67,2649.25 2065,2688.59 v1(2065,2690)
pads on no net: CC9.2 Con1.1 Con1.3 Con1.4 Con2.1 Con2.2 Con2.3 Con2.4 Con2.5 Con2.6 Con2.7 Con2.8 Con2.9 Con2.10 Con2.11 Con2.12 Con2.15 Con2.16 Con2.17 Con2.18 IC1.4 IC2.1 IC2.7 IC3.4 IC3.26 IC3.27 IC3.28 IC3.29 IC3.30 L1.3 P1.0 P2.7 P5.0 P6.0 P6.7 P6.8 P7.0 P7.7 P7.8

## Polygon pours and split planes (outlines as drawn)
GND on Bottom Layer "GND_L02_P008" (solid, pour order 8): 1281.3,1325 1281.3,2256.37 cw(c3555.02,699.09) 5828.71,2256.42 5828.7,1325 4535,1325 4535,1000 4340,1000 4340,1315 ccw(c3865,1315) 3865,1790 ccw(c3865,1315) 3390.11,1325
GND on Top Layer "GND_L01_P006" (solid, pour order 6): 1281.3,1325 1281.3,2256.37 cw(c3555.02,699.09) 5828.71,2256.42 5828.7,1325 4535,1325 4535,1000 4340,1000 4340,1315 ccw(c3865,1315) 3865,1790 ccw(c3865,1315) 3390.11,1325

## Keep-outs
Keep-Out Layer:
  the board outline again, w1

## Silkscreen, mask and mechanical layers (free items; w line width, h text height)
Top Overlay:
  drawing of 3131 lines, arcs and shapes, not listed
  text "Version 1.3" at 1905,1540 h39.37
Top Solder:
  drawing of 617 lines, arcs and shapes, not listed